# Altium PCB LimeSDR-X3_1v2.PcbDoc (part 19 of 25)
Units mm, origin at the board's own origin, x right, y up, seen from the top; angles counter-clockwise.
Board outline 232.5 x 111.15 mm, 12 copper layers (Top, L2, L3, L4, L5, L6, L7, L8, L9, L10, L11, Bottom), stack 1.596 mm thick; 2084 components, 1388 nets, 8919 pads, 3667 vias.
Unrouted connection lines stored in the file: 1.
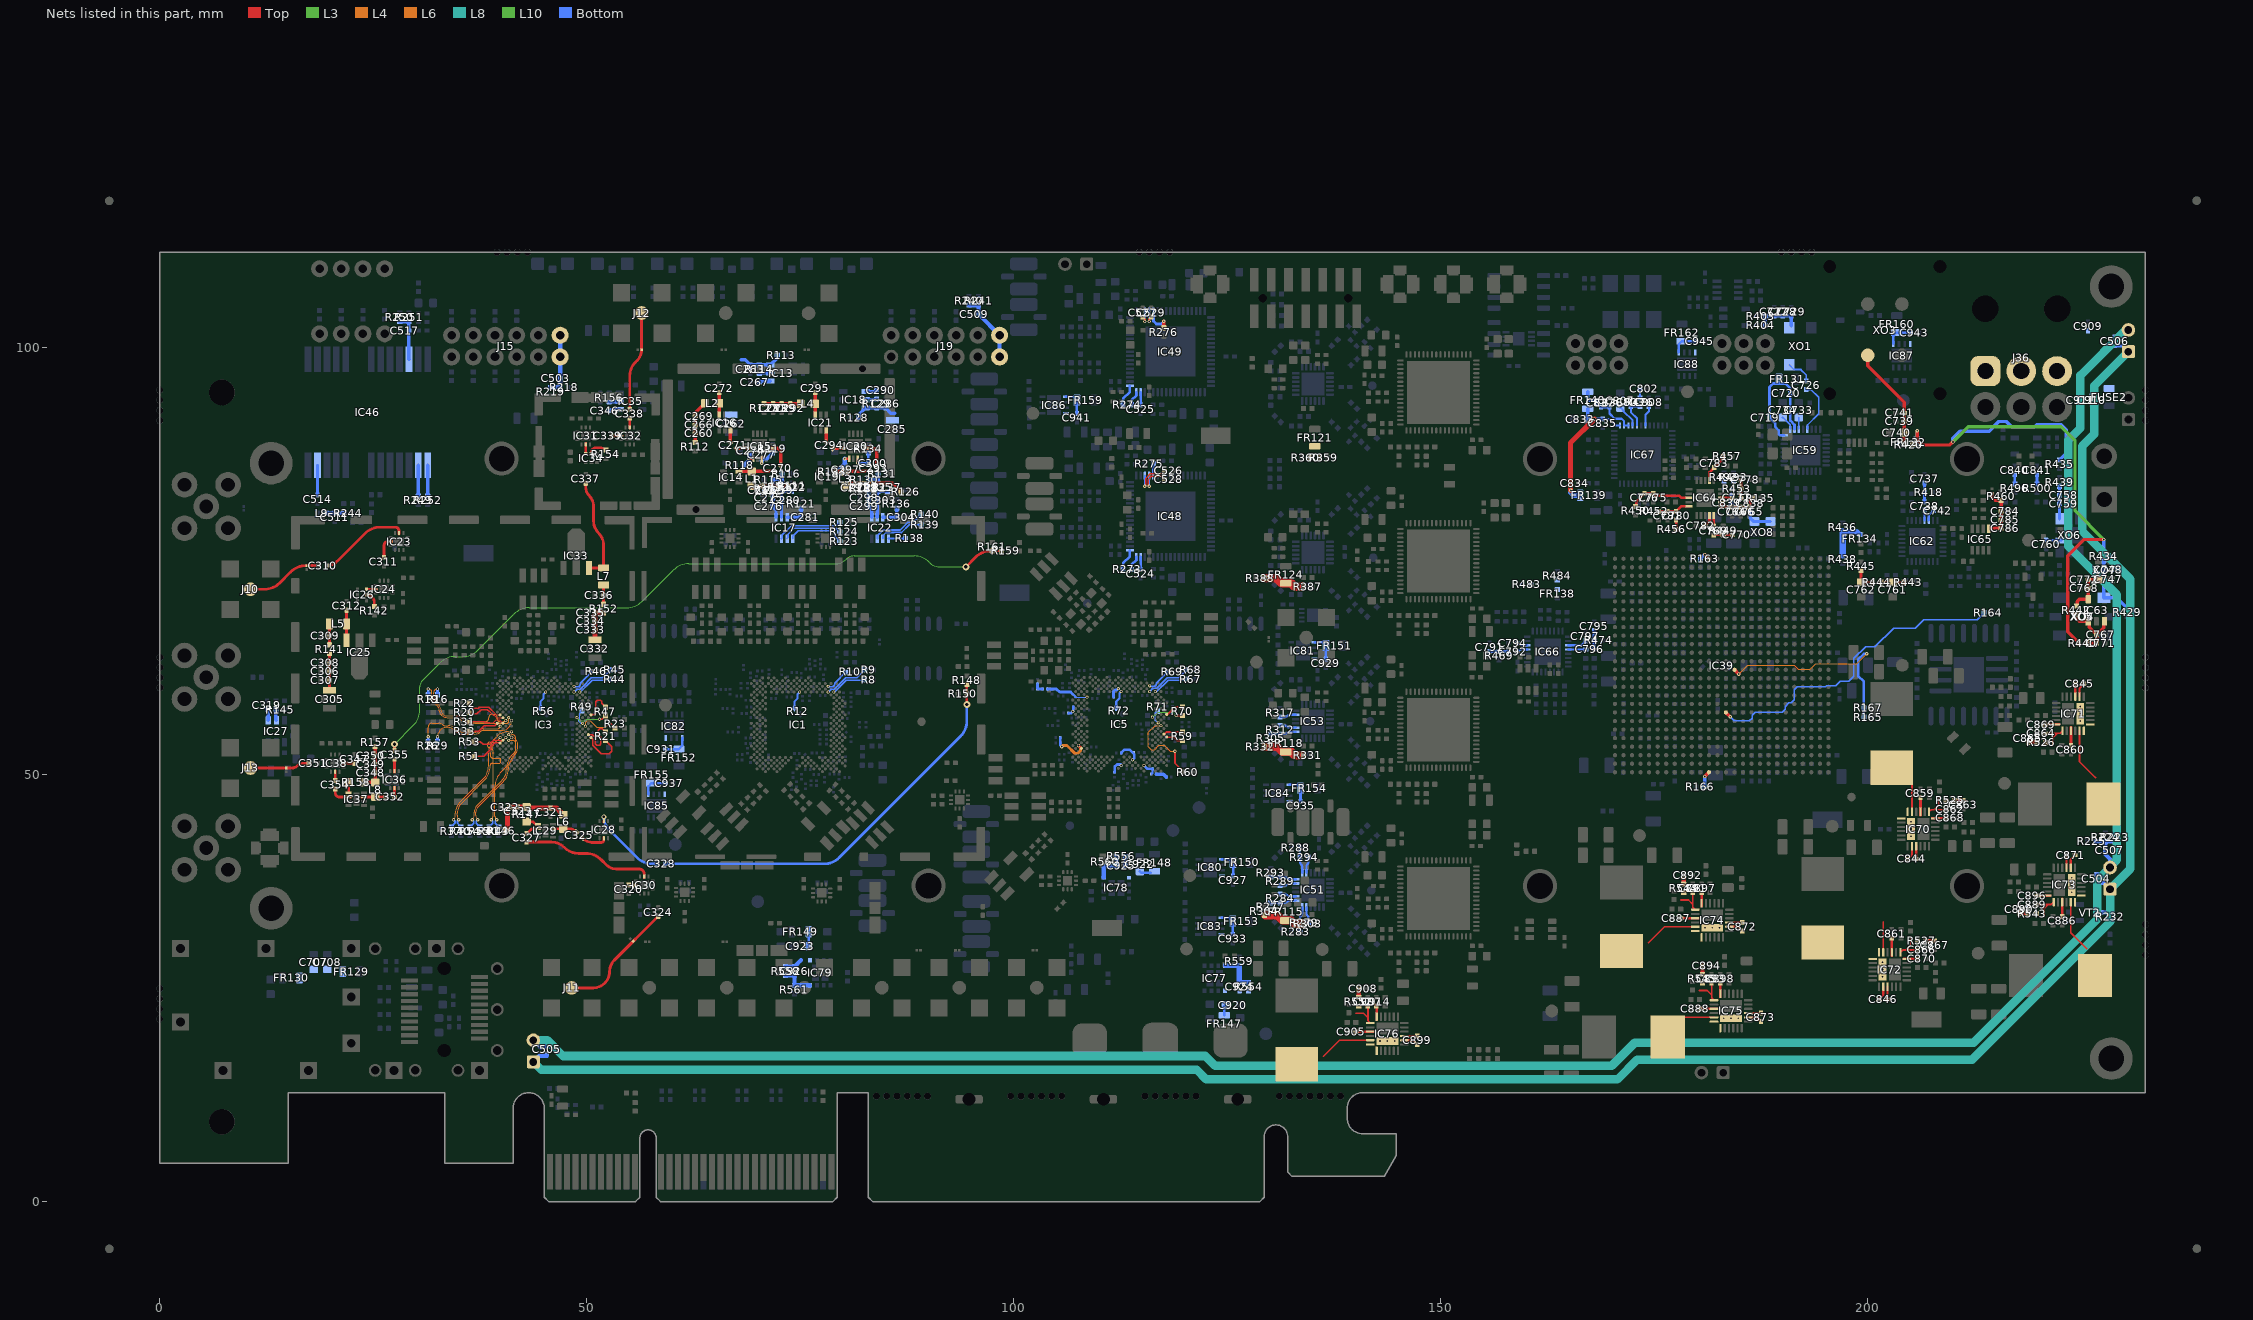
[diagram p29: the nets of this part, all layers, seen from the top]

## Via types
v1: diameter 0.4, hole 0.2, Top to Bottom, tented both sides, 3084 vias
v2: diameter 0.35, hole 0.2, Top to Bottom, tented both sides, 272 vias
v3: diameter 0.5, hole 0.2, Top to Bottom, tented bottom, 196 vias
v4: diameter 0.5, hole 0.2, Top to Bottom, tented both sides, 102 vias
v5: diameter 0.8, hole 0.4, Top to Bottom, tented both sides, 12 vias
v6: diameter 0.6, hole 0.3, Top to Bottom, tented both sides, 1 vias

## Nets (pads, with @x,y where several pads share a name; then routed paths per layer and width w, separated by ;. In a path a pad name is that pad's centre, name@x,y a point inside that pad or via, vN(x,y) a via of type N, cw(c..) or ccw(c..) an arc to the next point about the centre after c; other vN are vias at no path point) (continued)
NetC250_1: C250.1 FR95.1 IC5.E17 | length 1.3
  Bottom w0.35: C250.1@111.667,59.101 111.667,59.731 111.835,59.899 112.064,59.899 v2(112.223,60.058)
NetC251_1: C251.1 FR94.1 IC5.AK22 | length 2.7
  Bottom w0.3: FR94.1@112.551,52.51 112.966,52.925 113.551,52.925 114.099,52.377 114.099,51.944 v2(113.888,51.733)
NetC252_1: C252.1 FR93.1 IC5.AM18 | length 1.5
  Bottom w0.31: FR93.1@111.79,50.275 111.79,50.92 112.04,51.17 ; 112.086,51.18 C252.1@112.293,51.18 v2@112.5,51.18 ; v2@112.5,51.13 v2@112.559,51.07
  other v2: 112.556,51.067
NetC253_1: C253.1 FR92.2 IC5.AE3 IC5.AF4 | length 5.3
  Top w0.3: v2(107.561,53.398) IC5.AF4@107.894,53.065 v2(107.561,53.398)
  L4 w0.35: v1(105.592,53.283) 105.71,53.4 106.225,53.4 107.125,52.5 107.5,52.5 107.777,52.777 107.777,53.188 v2@107.607,53.358
  Bottom w0.3: C253.1@105.442,53.676 105.442,53.433 v1(105.592,53.283) ; C253.1@105.442,53.801 FR92.2@105.442,54.326
NetC254_1: C254.1 FR91.2 IC5.N1 | length 1.1
  Bottom w0.3: FR91.2@106.418,57.192 106.693,57.192 v2(106.895,57.394) 106.941,57.44 C254.1@106.941,57.917 C254.1@106.941,57.955
NetC255_1: C255.1 FR99.1 IC5.AM26 | length 1.8
  Bottom w0.25: FR99.1@116.096,50.06 116.231,50.195 C255.1@116.231,50.66
  Bottom w0.3: v2@115.266,51.027 115.634,50.66 C255.1@116.231,50.66
  other v2: 115.22,51.067
NetC256_1: C256.1 FR98.2 IC5.H6 | length 4.9
  Bottom w0.11: 107.258,59.059 v2(108.56,59.059)
  Bottom w0.3: 106.639,59.676 107.198,59.117
  Bottom w0.35: FR98.2@103.917,60.001 C256.1@104.455,60.001 104.992,60.001 105.367,59.676 106.639,59.676
NetC257_1: C257.1 FR99.2 R110.2 | length 1.4
  Bottom w0.4: FR99.2@116.66,50.054 117.081,50.054 117.511,50.054 R110.2@117.865,49.699
NetC258_1: C258.1 FR98.1 R109.1 | length 1.2
  Bottom w0.35: R109.1@102.771,60.63 102.771,60.097 102.867,60.001 FR98.1@103.357,60.001
NetC259_2: C259.2 C265.2 C268.2 L1.1 R111.2 | length 4.3
  Top w0.4: L1.1@69.272,83.798 C268.2@70.497,83.798 C265.2@71.497,83.798 C259.2@72.497,83.798 R111.2@73.547,83.798
NetC260_2: C260.2 C266.2 C269.2 L2.1 R112.2 | length 5
  Top w0.4: R112.2@62.675,88.9 C260.2@62.675,89.95 C266.2@62.675,90.95 C269.2@62.675,91.95 62.675,92.35 L2.1@63.8,93.475
NetC262_1: C262.1 C263.2 IC13.6 R113.1 R114.1 | length 5.2
  Bottom w0.4: 68.05,98.588 68.512,98.587 C263.2@69.125,97.975 R114.1@70.175,97.975 IC13.6@71.475,97.975 72.275,98.775 R113.1@72.275,99.125
NetC267_1: C267.1 IC13.4 | length 1.4
  Bottom w0.4: C267.1@70.175,95.925 70.325,96.075 IC13.4@71.475,96.075
NetC270_1: C270.1 IC14.6 L1.2 | length 4.2
  Top w0.4: IC14.6@67.797,85.498 L1.2@69.272,85.498 C270.1@71.994,85.498
NetC270_2: C270.2 IC15.10 | length 3.3
  Top w0.3: IC15.10@71.697,88.199 IC15.10@72.022,88.199
  Top w0.4: IC15.10@71.422,88.199 IC15.10@71.697,88.199 IC15.10@71.972,88.199 ; IC15.10@72.022,88.199 72.226,88.199 cw(c72.226,87.723) 72.701,87.723 C270.2@72.701,86.206
NetC271_1: C271.1 IC15.3 | length 1.8
  Top w0.3: IC15.3@68.422,88.199 IC15.3@68.747,88.199
  Top w0.4: C271.1@67.501,88.199 IC15.3@68.422,88.199 ; IC15.3@68.472,88.199 IC15.3@68.747,88.199 IC15.3@69.022,88.199
NetC271_2: C271.2 IC16.3 | length 1.4
  Top w0.4: C271.2@66.794,88.906 IC16.3@66.794,90.327
NetC272_1: C272.1 IC16.6 L2.2 | length 2.6
  Top w0.4: IC16.6@65.494,92.127 C272.1@65.494,94.757
NetC274_1: C274.1 IC15.5 R118.1 | length 2
  Top w0.3: v1(68.974,86.974) IC15.5@69.472,86.974
  Bottom w0.5: R118.1@68.4,86.225 68.974,86.799 v1(68.974,86.974) 68.974,87.174 69.15,87.35 C274.1@69.15,87.4
NetC275_2: C275.2 C276.1 IC17.1 R115.1 R116.1 R117.1 R120.1 | length 6.8
  Bottom w0.4: IC17.1@72.133,80.144 72.133,81.03 C276.1@71.759,81.404 C275.2@71.759,82.404 R117.1@71.759,83.454 R115.1@71.759,84.554 72.859,84.554 ; R120.1@72.859,84.154 72.859,84.554 ; R116.1@72.859,85.247 72.859,84.554
NetC277_1: C277.1 IC15.7 R119.1 | length 2.5
  Top w0.3: v1(70.472,86.475) IC15.7@70.472,86.974
  Bottom w0.4: v1(70.472,86.475) 70.472,86.947 C277.1@70.475,86.95 70.482,86.957 71.038,86.957 71.625,87.544 71.625,87.55 R119.1@71.725,87.65
NetC280_1: C280.1 IC17.2 R120.2 R122.2 | length 4.1
  Bottom w0.4: IC17.2@72.783,80.144 72.783,83.078 R120.2@72.859,83.154 R122.2@73.959,83.154
NetC281_1: C281.1 IC17.3 IC17.4 R121.2 | length 2.7
  Bottom w0.4: IC17.3@73.433,80.144 IC17.4@74.083,80.144 C281.1@75.07,80.144 R121.2@75.069,81.189
NetC282_2: C282.2 C288.2 C291.2 L3.1 R126.2 | length 7.1
  Top w0.4: L3.1@80.25,83.8 80.55,84.1 C291.2@81.425,84.1 C288.2@82.425,84.1 C282.2@83.425,84.1 85.8,84.1 R126.2@86.8,83.1
NetC283_2: C283.2 C289.2 C292.2 L4.1 R127.2 | length 4.3
  Top w0.4: R127.2@70.75,93.425 C283.2@71.8,93.425 C289.2@72.8,93.425 C292.2@73.8,93.425 L4.1@75.025,93.425
NetC285_1: C285.1 C286.2 IC18.6 R128.1 R129.1 | length 5.2
  Bottom w0.4: R128.1@81.825,91.8 81.825,92.15 IC18.6@82.625,92.95 R129.1@83.925,92.95 C286.2@84.975,92.95 85.588,92.337 86.05,92.337
NetC290_1: C290.1 IC18.4 | length 1.4
  Bottom w0.4: IC18.4@82.625,94.85 83.775,94.85 C290.1@83.925,95
NetC293_1: C293.1 IC19.6 L3.2 | length 4.2
  Top w0.4: IC19.6@79.025,85.5 80.5,85.5 C293.1@83.221,85.5
NetC293_2: C293.2 IC20.10 | length 3.3
  Top w0.3: IC20.10@82.925,88.2 IC20.10@83.25,88.2
  Top w0.4: IC20.10@82.65,88.2 IC20.10@82.925,88.2 IC20.10@83.2,88.2 ; IC20.10@83.25,88.2 83.454,88.2 cw(c83.454,87.725) 83.929,87.725 C293.2@83.929,86.207
NetC294_1: C294.1 IC20.3 | length 1.8
  Top w0.3: IC20.3@79.65,88.2 IC20.3@79.975,88.2
  Top w0.4: C294.1@78.729,88.2 IC20.3@79.65,88.2 ; IC20.3@79.7,88.2 IC20.3@79.975,88.2 IC20.3@80.25,88.2
NetC294_2: C294.2 IC21.3 | length 1.4
  Top w0.4: C294.2@78.025,88.904 IC21.3@78.025,90.325
NetC295_1: C295.1 IC21.6 L4.2 | length 2.6
  Top w0.4: IC21.6@76.725,92.125 C295.1@76.724,94.755
NetC297_1: C297.1 IC20.5 R133.1 | length 2.4
  Top w0.3: v1(80.202,86.975) IC20.5@80.7,86.975
  Bottom w0.5: R133.1@79.226,85.452 80.202,86.427 v1(80.202,86.975)
NetC298_2: C298.2 C299.1 IC22.1 R130.1 R131.1 R132.1 R135.1 | length 6.6
  Bottom w0.4: IC22.1@83.36,80.144 83.36,81.03 C299.1@82.985,81.404 C298.2@82.985,82.404 R132.1@82.985,83.454 R130.1@82.985,84.554 83.882,84.554 84.085,84.351 R131.1@84.085,85.248
NetC300_1: C300.1 IC20.7 R134.1 | length 3
  Top w0.3: v1(81.7,86.477) IC20.7@81.7,86.975
  Bottom w0.3: v1(81.7,86.477) 82.928,86.477 C300.1@82.953,86.452 R134.1@82.953,87.652
NetC303_1: C303.1 IC22.2 R135.2 R137.2 | length 4.1
  Bottom w0.4: IC22.2@84.01,80.144 84.01,83.078 R135.2@84.085,83.154 R137.2@85.185,83.154
NetC304_1: C304.1 IC22.3 IC22.4 R136.2 | length 2.7
  Bottom w0.4: IC22.3@84.66,80.144 IC22.4@85.31,80.144 C304.1@86.296,80.144 R136.2@86.296,81.189
NetC305_3: C305.3 C306.1 C307.2 C308.1 R141.1 | length 4.3
  Top w0.4: C305.3@19.854,59.877 C307.2@19.854,61.052 C306.1@19.854,62.101 C308.1@19.854,63.102 R141.1@19.854,64.202
NetC309_1: C309.1 L5.1 R141.2 | length 2.5
  Top w0.4: R141.2@19.854,65.202 L5.1@19.854,67.652
NetC310_1: C310.1 IC23.5 | length 10.7
  Top w0.325: C310.1@19.55,74.475 ccw(c19.55,76.165) 20.745,74.97 24.006,78.231 cw(c25.802,76.435) 25.802,78.975 27.525,78.975 cw(c27.525,78.496) 28.004,78.496 IC23.5@28.004,78.289 IC23.5@28.004,78.164
NetC310_2: C310.2 ESD10.1 J10.1 | length 8.9
  Top w0.325: J10.1@10.6,71.701 12.224,71.701 ccw(c12.224,74.241) 14.02,72.445 15.306,73.731 cw(c17.102,71.935) 17.102,74.475 ESD10.1@17.2,74.475 C310.2@18.55,74.475
NetC311_2: C311.2 IC23.8 | length 2.6
  Top w0.325: C311.2@26.229,75.414 26.229,76.827 cw(c26.691,76.827) 26.691,77.289 IC23.8@27.004,77.289 IC23.8@27.129,77.289
NetC312_2: C312.2 IC25.3 L5.2 | length 3.5
  Top w0.325: IC25.3@21.854,65.752 L5.2@21.854,67.652 C312.2@21.854,69.252
NetC319_1: C319.1 IC27.4 | length 1.4
  Bottom w0.4: C319.1@12.523,57.652 C319.1@12.523,57.602 12.675,57.45 IC27.4@12.675,56.362
NetC320_1: C320.1 IC30.8 | length 0.9
  Top w0.325: C320.1@54.9,37.069 IC30.8@55.709,37.069 IC30.8@55.834,37.069
NetC321_1: C321.1 C322.2 C323.1 L6.1 R146.2 R147.2 | length 9.7
  Top w0.6: R146.2@40.45,43.4 40.675,43.625 40.675,45.936 C322.2@40.925,46.186 ; C322.2@40.925,46.2 R147.2@42.925,46.2 43.05,46.075 C321.1@45.725,46.075 46.45,46.075 47.025,45.5 47.025,45.45 47.175,45.3 L6.1@47.225,45.3
NetC324_2: C324.2 ESD11.1 J11.1 | length 14.3
  Top w0.325: J11.1@48.2,25.025 50.725,25.025 ccw(c50.725,26.95) 52.65,26.95 cw(c54.498,26.95) 53.191,28.257 C324.2@58.341,33.407
NetC325_1: C325.1 IC28.2 | length 3.1
  Top w0.325: C325.1@49.479,42.571 ccw(c50.737,43.83) 50.737,42.05 51.65,42.05 ccw(c51.65,42.375) 51.975,42.375 IC28.2@51.975,42.55 IC28.2@51.975,42.675
NetC325_2: C325.2 IC29.7 L6.2 | length 3.1
  Top w0.325: IC29.7@45.769,43.669 IC29.7@46.044,43.669 47.829,43.669 cw(c47.829,42.337) C325.2@48.771,43.279
NetC327_1: C327.1 IC29.2 | length 1.8
  Top w0.325: C327.1@42.925,43.1 ccw(c42.925,43.221) 43.01,43.135 43.375,43.5 cw(c43.782,43.093) 43.782,43.669 IC29.2@44.244,43.669 IC29.2@44.519,43.669
NetC327_2: C327.2 IC30.5 | length 15.5
  Top w0.325: C327.2@42.925,42.1 45.851,42.1 cw(c45.851,40.051) 47.3,41.5 ccw(c49.05,43.25) 49.05,40.775 49.873,40.775 cw(c49.873,38.235) 51.669,40.031 52.275,39.425 ccw(c53.422,40.572) 53.422,38.95 56.098,38.95 cw(c56.098,38.339) 56.709,38.339 IC30.5@56.709,38.069 IC30.5@56.709,37.944
NetC328_1: C328.1 R148.1 R150.2 | length 46.9
  Top w0.325: v5(94.484,58.213) R148.1@94.484,60.545
  Bottom w0.325: C328.1@59.2,39.55 77.748,39.55 ccw(c77.748,42.09) 79.544,40.294 93.74,54.49 ccw(c91.944,56.286) 94.484,56.286 v5(94.484,58.213)
NetC328_2: C328.2 IC28.8 | length 8.9
  Top w0.325: IC28.8@51.975,44.425 IC28.8@51.975,44.55
  Bottom w0.325: v6(51.975,45.05) ccw(c54.087,45.05) 52.594,43.556 55.856,40.294 ccw(c57.652,42.09) 57.652,39.55 C328.2@58.2,39.55
NetC332_3: C332.3 C333.2 C334.1 C335.1 R152.1 | length 4.2
  Top w0.6: C332.3@50.925,65.8 C333.2@50.925,66.975 C334.1@50.925,67.95 C335.1@50.925,68.95 R152.1@51.95,68.95
NetC336_1: C336.1 L7.1 R152.2 | length 2.3
  Top w0.325: R152.2@51.95,69.95 C336.1@51.95,71 L7.1@51.95,72.225
NetC337_2: C337.2 IC33.3 L7.2 | length 12.2
  Top w0.325: C337.2@49.861,84.119 49.861,83.579 ccw(c51.104,83.579) 50.225,82.7 cw(c48.897,81.372) 50.775,81.372 50.775,79.688 ccw(c52.738,79.688) 51.35,78.3 cw(c49.901,76.851) 51.95,76.851 L7.2@51.95,74.2 L7.2@51.95,74.2 IC33.3@50.244,74.201
NetC338_1: C338.1 IC32.5 | length 1.2
  Top w0.325: IC32.5@55.011,90.545 IC32.5@55.011,90.67 C338.1@55.011,91.745
NetC338_2: C338.2 ESD12.1 J12.1 | length 11.7
  Top w0.325: C338.2@55.021,92.744 55.021,96.687 cw(c57.338,96.687) 55.7,98.325 55.878,98.503 ccw(c54.627,99.754) ESD12.1@56.396,99.754 ; ESD12.1@56.4,99.713 J12.1@56.4,104.05
NetC339_2: C339.2 IC32.8 | length 1.2
  Top w0.325: C339.2@52.936,89.67 IC32.8@54.011,89.67 IC32.8@54.136,89.67
NetC346_1: C346.1 IC35.4 | length 1.4
  Bottom w0.4: C346.1@52.56,92.6 C346.1@52.61,92.6 52.762,92.752 IC35.4@53.85,92.752
NetC347_1: C347.1 IC38.8 | length 1.1
  Top w0.325: IC38.8@21.391,51.332 IC38.8@21.516,51.332 C347.1@22.541,51.332
NetC348_1: C348.1 C349.2 C350.1 L8.1 R157.2 R158.2 | length 5.6
  Top w0.4: R158.2@23.841,49.082 L8.1@25.191,49.082 C349.2@25.191,51.232 C350.1@25.191,52.232 R157.2@25.191,53.282
NetC351_2: C351.2 ESD13.1 J13.1 | length 7
  Top w0.325: J13.1@10.6,50.775 15,50.775 15.471,50.775 ccw(c15.471,51.629) 16.075,51.025 cw(c16.815,50.285) 16.815,51.332 C351.2@17.441,51.332
NetC352_1: C352.1 IC36.2 | length 1.1
  Top w0.325: C352.1@27.466,47.382 IC36.2@27.466,48.407 IC36.2@27.466,48.532
NetC352_2: C352.2 IC37.7 L8.2 | length 2.9
  Top w0.325: IC37.7@23.616,47.382 IC37.7@23.891,47.382 L8.2@25.191,47.382 C352.2@26.466,47.382
NetC354_1: C354.1 IC37.2 | length 2.6
  Top w0.325: C354.1@20.516,48.307 20.516,47.882 ccw(c21.016,47.882) 21.016,47.382 IC37.2@22.091,47.382 IC37.2@22.366,47.382
NetC354_2: C354.2 IC38.5 | length 1.1
  Top w0.325: C354.2@20.516,49.307 IC38.5@20.516,50.332 IC38.5@20.516,50.457
NetC355_1: C355.1 R159.1 R161.2 | length 83.6
  Top w0.325: C355.1@27.466,52.857 v5(27.466,53.557) ; v5(94.375,74.325) 95.506,75.456 cw(c97.302,73.66) 97.302,76.2 R161.2@97.459,76.2 R159.1@98.559,76.2
  L10 w0.1: v5(27.466,53.557) 29.681,55.772 ccw(c27.885,57.568) 30.425,57.568 30.425,60.276 cw(c31.449,60.276) 30.725,61 32.806,63.081 cw(c34.602,61.285) 34.602,63.825 35.423,63.825 ccw(c35.423,66.365) 37.219,64.569 41.431,68.781 cw(c43.227,66.985) 43.227,69.525 54.648,69.525 ccw(c54.648,72.065) 56.444,70.269 60.131,73.956 cw(c61.927,72.16) 61.927,74.7 79.153,74.7 ccw(c79.153,76.322) 80.3,75.175 cw(c81.326,74.149) 81.326,75.6 88.298,75.6 cw(c88.298,73.06) 90.094,74.856 90.15,74.8 ccw(c91.297,75.947) 91.297,74.325 v5(94.375,74.325)
NetC355_2: C355.2 IC36.8 | length 1.5
  Top w0.325: IC36.8@27.466,50.282 IC36.8@27.466,50.407 C355.2@27.466,51.807
NetC503_1: C503.1 J15.6 J15.12 R218.1 R219.2 | length 7.2
  Bottom w0.5: R219.2@45.761,95.35 R218.1@46.861,95.35 C503.1@46.861,96.4 J15.6@46.861,98.904 J15.12@46.861,101.446
NetC504_1: C504.1 C505.1 C506.1 C507.1 J16.2 J17.2 J18.2 R223.1 R224.1 R225.1 | length 278.1
  L8 w1: J16.2@43.725,18.895 45.355,18.895 47.2,17.05 122.4,17.05 123.55,15.9 170,15.9 172.7,18.6 212.375,18.6 226.825,33.05 226.825,37.595 J18.2@228.35,39.12 228.35,39.231 229.125,40.006 229.125,71.075 223.475,76.725 223.475,89.175 224.875,90.575 224.875,96.75 230.193,102.068 J17.2@230.5,102.068
  Bottom w0.5: J16.2@43.736,18.895 44.556,18.075 C505.1@45.314,18.075 ; R225.1@226.725,42.175 R224.1@227.825,42.175 ; C504.1@226.75,38.3 227.507,38.3 228.327,39.12 J18.2@228.35,39.12 228.35,40.125 227.828,40.647 227.828,41.125 C507.1@227.825,41.125 R224.1@227.825,42.175 ; C506.1@228.911,101.248 229.669,101.248 J17.2@230.489,102.068 ; R223.1@228.925,42.175 R224.1@227.825,42.175
NetC504_2: C504.2 C505.2 C506.2 J16.1 J17.1 J18.1 R232.2 VT2.D | length 275.1
  L8 w1: J16.1@43.725,16.355 44.63,15.45 121.375,15.45 122.525,14.3 170.663,14.3 172.963,16.6 212.2,16.6 228.35,32.75 J18.1@228.35,36.58 230.725,38.955 230.725,72.888 225.075,78.538 225.075,88.45 226.475,89.85 226.475,95.503 J17.1@230.5,99.528
  Bottom w0.5: J16.1@43.714,16.355 44.434,17.075 C505.2@45.314,17.075 ; C504.2@226.75,37.3 227.63,37.3 J18.1@228.35,36.58 R232.2@228.35,33.85 VT2.D@227.1,33.85 ; C506.2@228.911,100.248 229.791,100.248 J17.1@230.511,99.528
NetC509_1: C509.1 J19.6 J19.12 R240.1 R241.2 | length 8.2
  Bottom w0.5: R240.1@94.75,104.975 R241.2@95.85,104.975 C509.1@95.85,103.925 95.9,103.925 95.9,103.866 J19.12@98.32,101.446 J19.6@98.32,98.923
NetC511_2: C511.2 L9.2 R244.2 | length 2.1
  Bottom w0.4: L9.2@19.45,80.625 C511.2@20.475,80.625 R244.2@21.525,80.625
NetC514_2: C514.2 IC46.11 | length 3.5
  Bottom w0.325: C514.2@18.45,82.725 IC46.11@18.45,86.225
NetC517_1: C517.1 IC46.22 R250.1 R251.1 | length 5.6
  Bottom w0.4: R250.1@28.075,103.05 R251.1@29.175,103.05 29.15,103.025 IC46.22@29.15,98.625 IC46.22@29.175,98.65
NetC524_2: C524.2 IC48.16 | length 1.5
  Bottom w0.3: C524.2@114.827,74.027 IC48.16@114.828,75.503
NetC525_2: C525.2 IC49.16 | length 1.5
  Bottom w0.3: C525.2@114.827,93.302 IC49.16@114.828,94.778
NetC526_1: C526.1 IC48.37 | length 4.8
  Top w0.2: v1(115.328,83.778) 115.425,83.875 115.425,84.675 115.971,85.221 117.306,85.221 C526.1@117.65,85.564
  Bottom w0.254: v1(115.328,83.778) IC48.37@115.328,85.003
NetC527_1: C527.1 IC49.37 | length 1.9
  Top w0.25: C527.1@115.078,103.603 115.328,103.353 v1(115.328,103.053)
  Bottom w0.254: v1(115.328,103.053) IC49.37@115.328,104.278
NetC528_1: C528.1 IC48.38 | length 4.3
  Top w0.2: v1(115.828,83.778) 115.725,83.881 115.725,84.551 116.095,84.921 117.306,84.921 C528.1@117.65,84.577
  Bottom w0.254: v1(115.828,83.778) IC48.38@115.828,85.003
NetC529_1: C529.1 IC49.38 | length 1.9
  Top w0.25: v1(115.828,103.053) 115.828,103.353 C529.1@116.078,103.603
  Bottom w0.254: v1(115.828,103.053) IC49.38@115.828,104.278
NetC707_2: C707.2 C708.2 FR129.2 FR130.1
NetC719_2: C719.2 C720.2 FR131.2 IC59.16 IC59.18 | length 14.3
  Bottom w0.3: C719.2@188.475,91.8 188.475,95.375 188.9,95.8 190.325,95.8 190.925,95.2 C720.2@190.925,94.65 190.925,91.438 191.4,90.963 IC59.18@191.4,90.425 ; C719.2@188.625,91.65 189.125,91.15 189.125,90.75 189.55,90.325 189.55,89.901 189.726,89.725 IC59.16@190.2,89.725
NetC726_1: C726.1 IC59.21 | length 6.1
  Bottom w0.2: C726.1@192.775,95.1 193.3,95.1 194.225,94.175 194.225,92.25 192.918,90.943 192.918,90.443 IC59.21@192.9,90.425
NetC726_2: C726.2 XO1.3 | length 3.2
  Bottom w0.2: XO1.3@190.775,98 191.35,97.425 192.15,97.425 192.775,96.8 C726.2@192.775,96.1
NetC727_2: C727.2 C728.2 C729.1 R403.2 R404.1 XO1.4 | length 5.3
  Bottom w0.4: R404.1@187.975,102.6 R403.2@187.975,103.7 C727.2@189.025,103.7 C728.2@190.025,103.7 C729.1@191.025,103.7 XO1.4@191.025,102.55
NetC733_1: C733.1 IC59.19 | length 1.4
  Bottom w0.2: IC59.19@191.9,90.425 C733.1@191.9,91.825
NetC734_2: C734.2 IC59.17 | length 1.8
  Bottom w0.2: C734.2@190,91.825 190.043,91.825 190.9,90.968 IC59.17@190.9,90.425
NetC737_1: C737.1 C738.2 R418.2 | length 2.2
  Bottom w0.325: C738.2@206.625,81.95 C737.1@206.625,84.15
NetC738_1: C738.1 IC62.13 | length 1.2
  Bottom w0.25: IC62.13@206.625,79.75 C738.1@206.625,80.95
NetC739_2: C739.2 C740.2 C741.1 R420.2 XO3.4 | length 12.2
  Top w0.4: XO3.4@199.975,99.1 199.975,97.9 204.25,93.625 C741.1@204.25,92.35 C739.2@204.25,91.35 C740.2@204.25,90.05 R420.2@204.25,88.65
NetC742_2: C742.2 IC62.14 | length 1.4
  Bottom w0.25: IC62.14@207.125,79.75 207.125,80.35 207.5,80.725 207.5,80.775 207.625,80.9 C742.2@207.675,80.9
NetC747_2: C747.2 C748.2 R429.2 R434.1 XO4.5 XO5.4 | length 7.6
  Bottom w0.4: R434.1@227.626,75.046 C748.2@227.626,73.996 C747.2@227.626,72.849 XO5.4@227.626,70.7 229.15,70.7 R429.2@230.35,69.5
NetC758_2: C758.2 C759.2 R439.2 XO6.9 | length 3.8
  Bottom w0.4: XO6.9@222.436,79.96 C759.2@222.436,81.71 C758.2@222.436,82.71 R439.2@222.436,83.76
NetC760_2: C760.2 XO6.7 | length 1.7
  Bottom w0.325: C760.2@220.875,77.45 XO6.7@222.596,77.45
NetC761_1: C761.1 R443.2 R444.1 | length 2.7
  Top w0.325: R444.1@201.55,72.525 C761.1@202.9,72.525 R443.2@204.225,72.525
NetC762_1: C762.1 R444.2 R445.2 | length 2.7
  Top w0.325: R445.2@199.2,73.9 C762.1@199.2,72.525 R444.2@200.55,72.525
NetC764_2: C764.2 C765.1 C766.1 FR135.2 IC64.6 IC64.7 | length 5
  Top w0.3: IC64.7@182.85,81.9 IC64.6@182.85,81.4 184,81.4 C764.2@184.1,81.3 C766.1@185.1,81.3 C765.1@186.1,81.3 186.1,81.35 186.2,81.45 186.2,82.1 FR135.2@186.475,82.375
NetC767_2: C767.2 C771.2 IC63.1 IC63.3 R440.2 R442.2 | length 8
  Top w0.4: R442.2@224.402,68.777 224.502,68.677 224.502,68.202 224.767,67.937 IC63.1@225.8,67.937 225.9,67.837 225.9,67.254 226.677,66.477 226.677,66.427 226.727,66.377 C767.2@226.777,66.377 ; R440.2@225.727,65.377 C771.2@226.777,65.377 C767.2@226.777,66.377 ; IC63.3@227.7,67.937 227.616,67.853 227.616,67.216 226.877,66.477 226.877,66.427 226.827,66.377 C767.2@226.777,66.377
NetC768_2: C768.2 C772.2 IC63.5 R442.1 XO7.4 | length 5.5
  Top w0.4: R442.1@224.402,69.697 224.502,69.797 224.502,70.272 224.767,70.537 IC63.5@225.8,70.537 225.8,71.827 225.8,72.825 C772.2@225.802,72.827 XO7.4@227.027,72.827
NetC769_1: C769.1 IC64.5 | length 1.3
  Top w0.3: C769.1@181.95,79.075 IC64.5@181.95,80.35
NetC769_2: C769.2 C770.1 R449.2 | length 2.2
  Top w0.3: C769.2@181.95,78.075 C770.1@184.15,78.075
NetC775_2: C775.2 C776.1 IC64.18 R450.1 | length 7.4
  Top w0.3: R450.1@172.786,81.415 172.862,81.491 172.862,81.941 173.686,82.765 173.736,82.765 173.836,82.865 C776.1@173.836,82.915 C775.2@174.861,82.915 174.861,82.865 174.961,82.765 175.011,82.765 175.101,82.675 177.876,82.675 178.151,82.4 IC64.18@179.05,82.4
NetC777_1: C777.1 C778.2 R453.2 | length 2.2
  Top w0.325: C777.1@185.15,82.4 R453.2@185.15,83.45 ; R453.2@185.15,83.5 R453.2@185.15,83.45 ; C778.2@185.15,84.5 R453.2@185.15,83.45
NetC777_2: C777.2 IC64.8 | length 1.3
  Top w0.3: IC64.8@182.85,82.4 C777.2@184.15,82.4
NetC780_1: C780.1 R456.2 | length 1.1
  Top w0.3: R456.2@177.536,78.715 C780.1@177.536,79.815
NetC780_2: C780.2 C781.2 IC64.20 R452.1 | length 3.8
  Top w0.3: C780.2@177.536,80.815 177.536,80.865 177.636,80.965 177.686,80.965 178.121,81.4 IC64.20@179.05,81.4
  Top w0.325: R452.1@175.486,80.815 C781.2@176.536,80.815 C780.2@177.536,80.815
NetC782_1: C782.1 IC64.4 | length 1.5
  Top w0.3: C782.1@180.9,79.125 180.95,79.125 181.05,79.225 181.05,79.275 181.45,79.675 IC64.4@181.45,80.35
NetC783_2: C783.2 IC64.12 R457.2 | length 3.3
  Top w0.3: IC64.12@181.45,84.45 181.45,85.4 C783.2@181.85,85.8 ; C783.2@182,85.95 182,86 182.1,86.1 182.15,86.1 182.9,86.85 182.9,87.1 R457.2@183.05,87.25
NetC784_2: C784.2 C785.1 C786.1 FR136.1 IC65.1 R460.2 | length 6.5
  Top w0.3: FR136.1@214.525,82.925 214.525,82.45 214.875,82.1 R460.2@215.599,82.1
  Top w0.4: IC65.1@214.15,78.79 214.15,78.825 C786.1@215.599,78.825 C785.1@215.599,79.825 C784.2@215.599,80.825 R460.2@215.599,82.1